# KiCad board Scan_Head_Set-Relay_board-19.01.2023_Copy.kicad_pcb
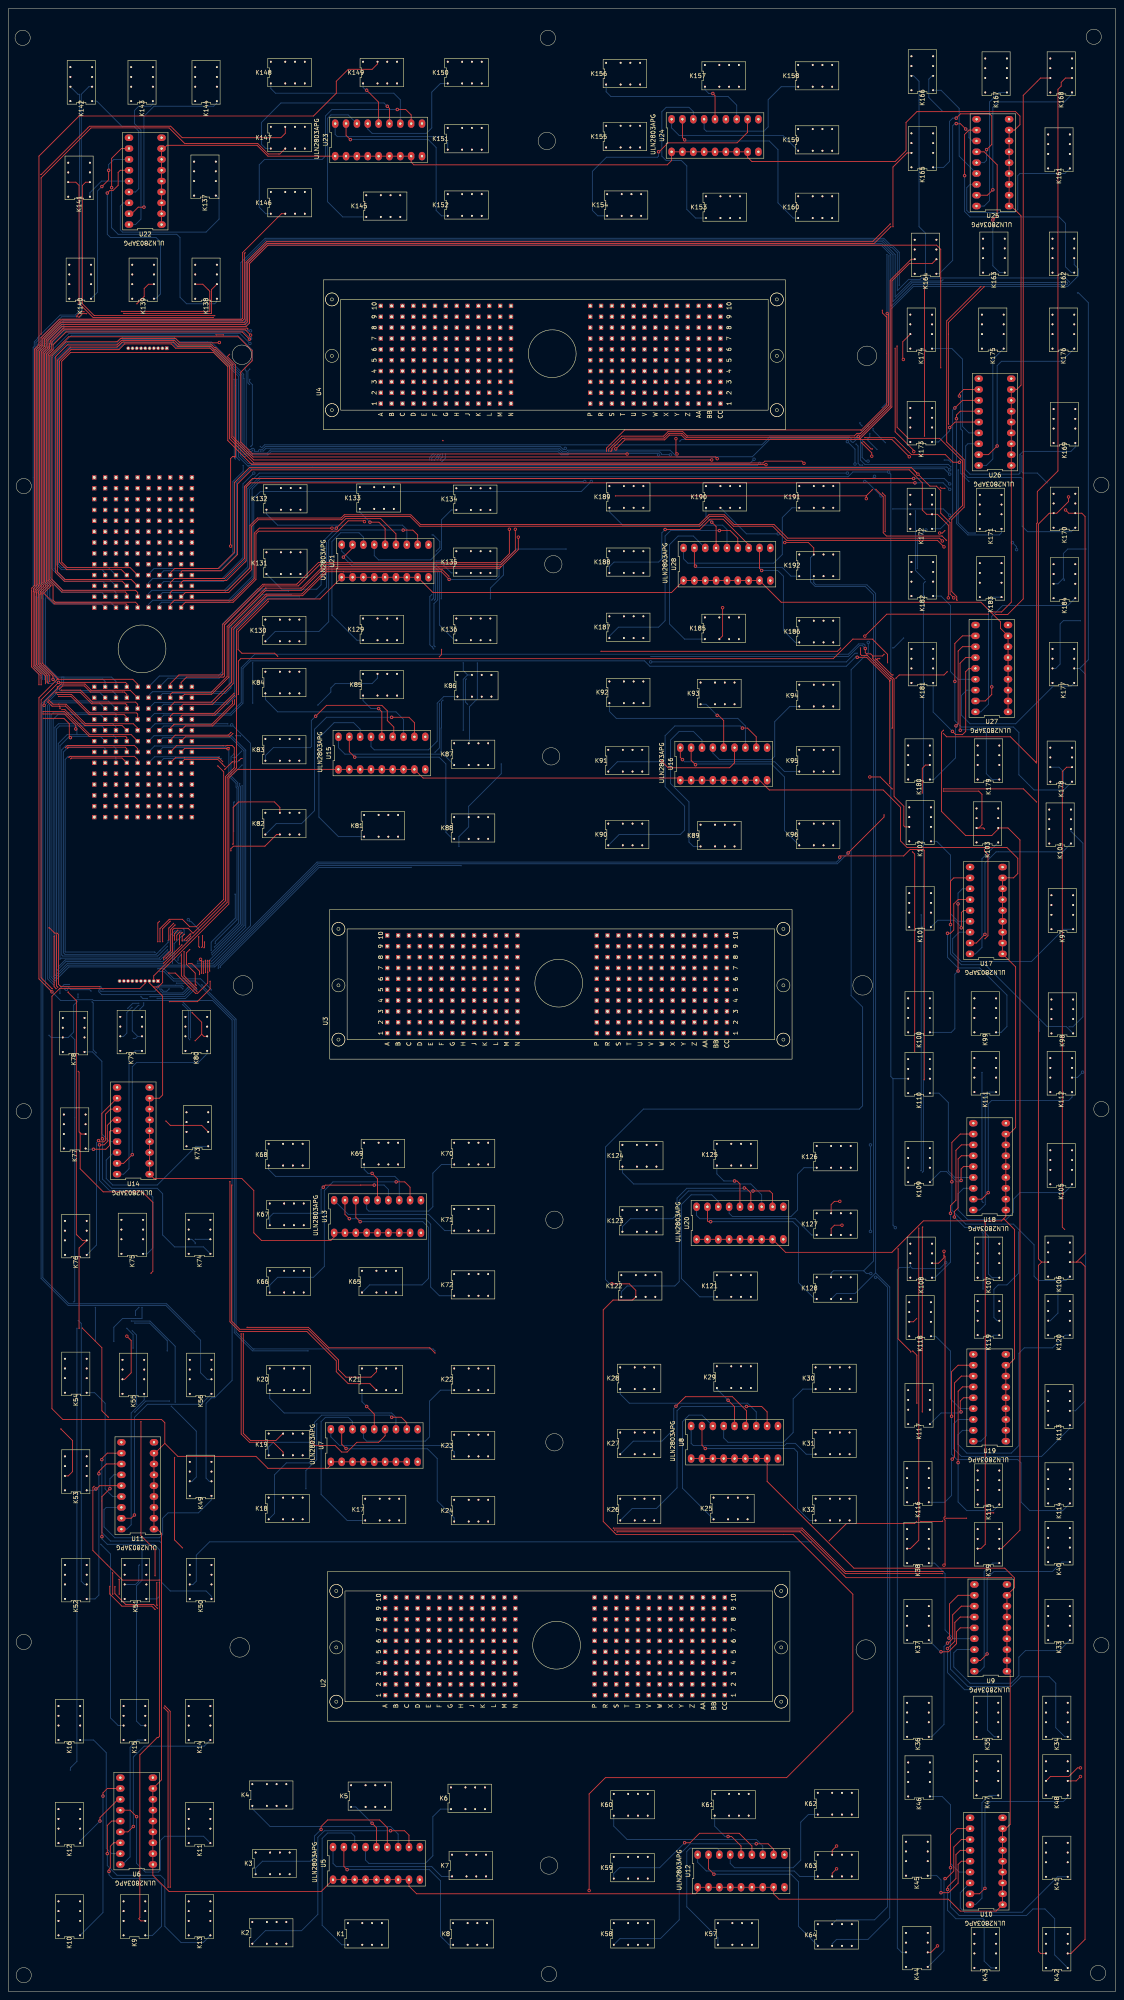
[diagram p0: board, top side]
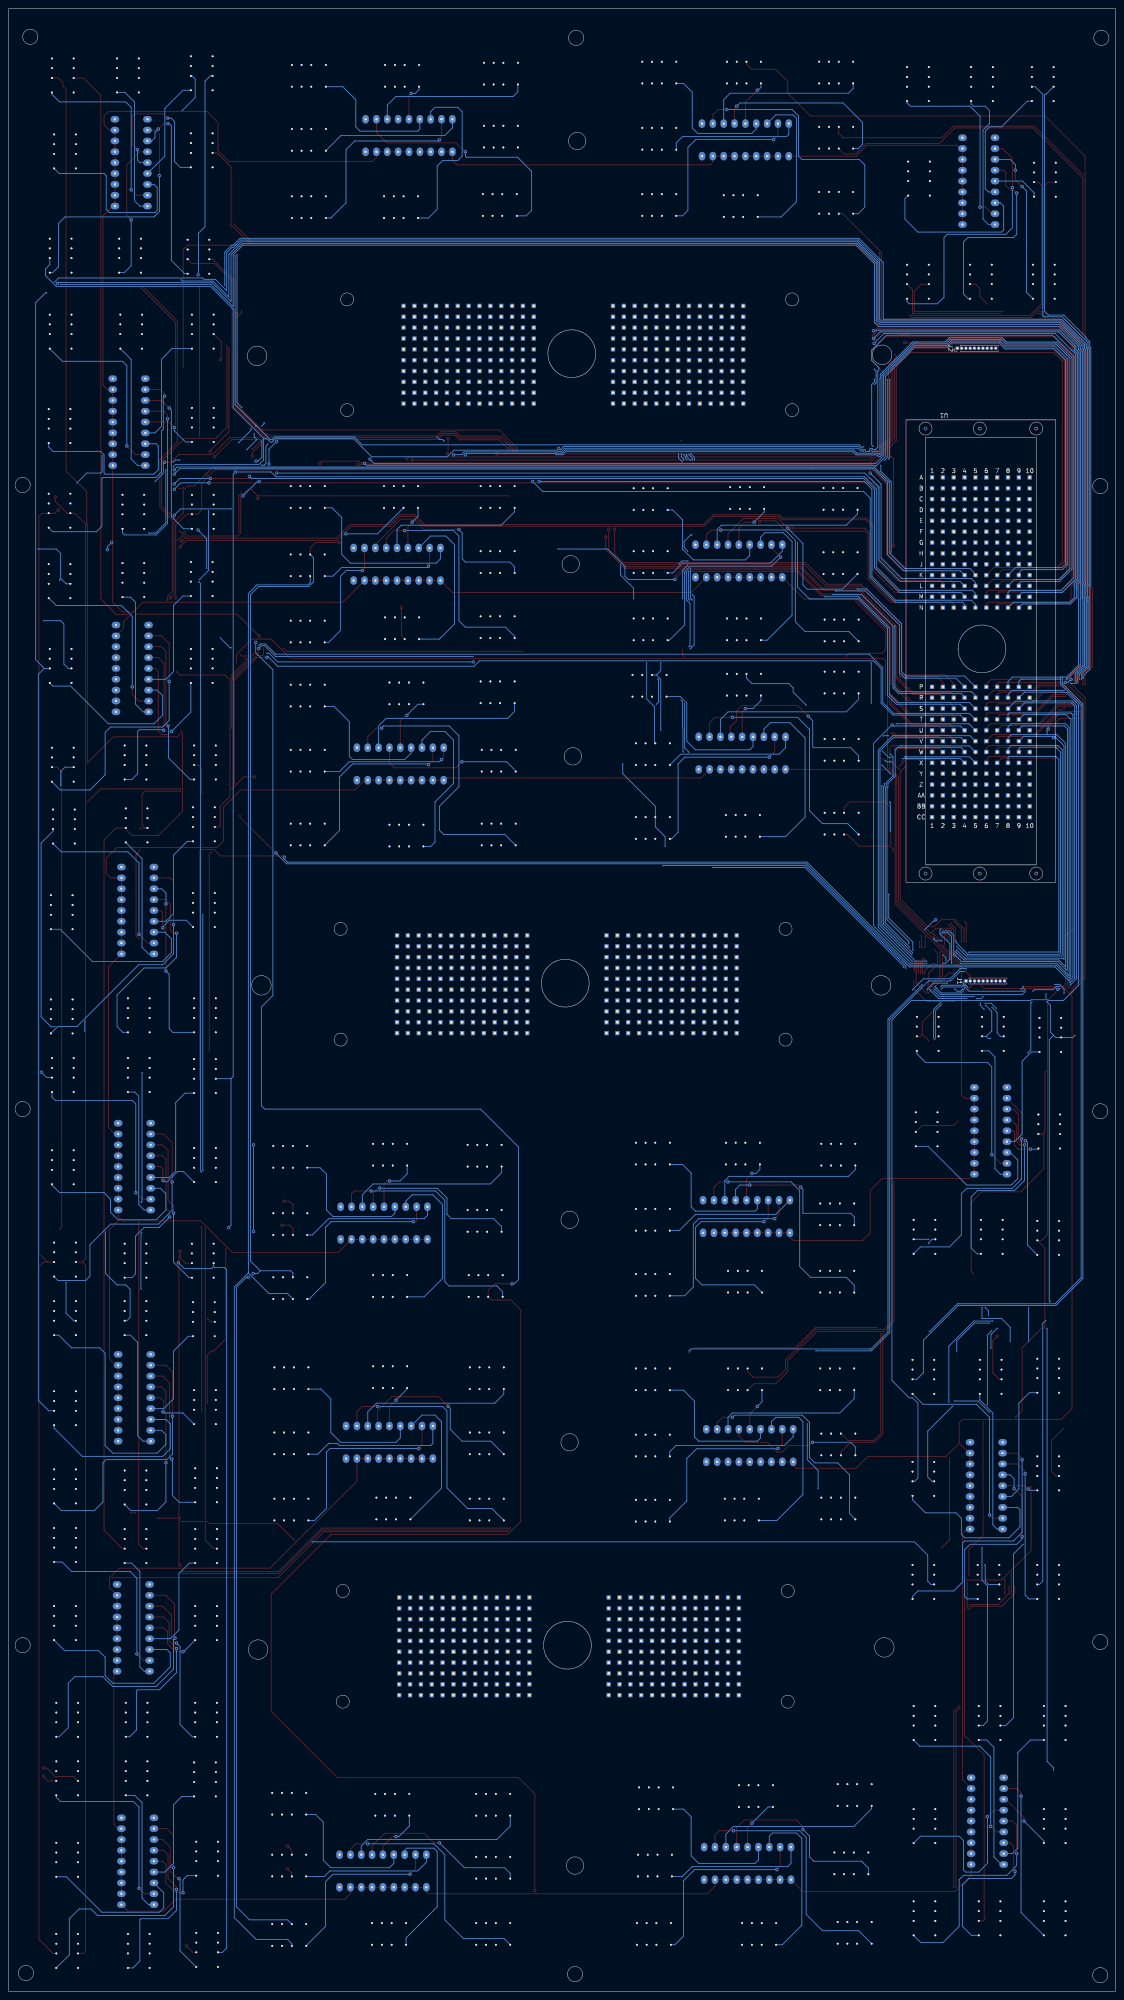
[diagram p1: board, bottom side, seen from below]

Outline 259.08 x 464.06 mm; copper layers: Top, +12V (plane), AGND, Bottom (plane). Coordinates in mm from the lower left corner of the outline.
Outline path: rectangle 0,464.06 259.08,0 ; circle c3.3,457.2 r1.78 ; circle c3.56,352.3 r1.78 ; circle c3.56,205.99 r1.78 ; circle c3.56,81.79 r1.78 ; circle c3.56,3.81 r1.78 ; circle c54.1,80.52 r2.29 ; circle c54.61,383.03 r2.29 ; circle c54.86,235.46 r2.29 ; circle c75.69,395.99 r1.52 ; circle c75.69,370.08 r1.52 ; circle c76.71,93.73 r1.52 ; circle c76.71,67.82 r1.52 ; circle c77.22,248.67 r1.52 ; circle c77.22,222.76 r1.52 ; circle c125.98,433.07 r2.03 ; circle c126.24,457.2 r1.78 ; circle c126.49,29.46 r2.03 ; circle c126.49,4.06 r1.78 ; circle c127,289.05 r2.03 ; circle c127.51,334.01 r2.03 ; circle c127.76,180.59 r2.03 ; circle c127.76,128.52 r2.03 ; circle c179.83,395.99 r1.52 ; circle c179.83,370.08 r1.52 ; circle c180.85,93.73 r1.52 ; circle c180.85,67.82 r1.52 ; circle c181.36,248.67 r1.52 ; circle c181.36,222.76 r1.52 ; circle c199.9,235.46 r2.29 ; circle c200.66,80.01 r2.29 ; circle c200.91,382.78 r2.29 ; circle c254,457.45 r1.78 ; circle c255.02,4.32 r1.78 ; circle c255.78,352.55 r1.78 ; circle c255.78,206.5 r1.78 ; circle c255.78,81.03 r1.78
Stack: Top 0.035mm / dielectric 0.48mm FR4 er 4.5 / +12V 0.035mm / dielectric 0.48mm FR4 er 4.5 / AGND 0.035mm / dielectric 0.48mm FR4 er 4.5 / Bottom 0.035mm

## Placement (name value [footprint] x y rotation side)
J1  Screw_Terminal_01x10  [PinHeader_1x10_P1.00mm_Vertical]  34.98 236.47 90 bottom
J2  Screw_Terminal_01x10  [PinHeader_1x10_P1.00mm_Vertical]  37.01 384.56 90 bottom
K1  MR_DPDT12_2P  [IM46GT-12VDC-8DIP]  83.82 13.46 0 top
K2  MR_DPDT12_2P  [IM46GT-12VDC-8DIP]  61.47 13.72 0 top
K3  MR_DPDT12_2P  [IM46GT-12VDC-8DIP]  62.23 29.97 0 top
K4  MR_DPDT12_2P  [IM46GT-12VDC-8DIP]  61.47 45.97 0 top
K5  MR_DPDT12_2P  [IM46GT-12VDC-8DIP]  84.58 45.72 0 top
K6  MR_DPDT12_2P  [IM46GT-12VDC-8DIP]  107.95 45.21 0 top
K7  MR_DPDT12_2P  [IM46GT-12VDC-8DIP]  108.2 29.46 0 top
K8  MR_DPDT12_2P  [IM46GT-12VDC-8DIP]  108.46 13.46 0 top
K9  MR_DPDT12_2P  [IM46GT-12VDC-8DIP]  29.46 17.53 90 top
K10  MR_DPDT12_2P  [IM46GT-12VDC-8DIP]  14.22 17.53 90 top
K11  MR_DPDT12_2P  [IM46GT-12VDC-8DIP]  44.7 39.12 90 top
K12  MR_DPDT12_2P  [IM46GT-12VDC-8DIP]  14.22 39.12 90 top
K13  MR_DPDT12_2P  [IM46GT-12VDC-8DIP]  44.7 17.53 90 top
K14  MR_DPDT12_2P  [IM46GT-12VDC-8DIP]  44.7 63.25 90 top
K15  MR_DPDT12_2P  [IM46GT-12VDC-8DIP]  29.46 63.25 90 top
K16  MR_DPDT12_2P  [IM46GT-12VDC-8DIP]  14.22 63.25 90 top
K17  MR_DPDT12_2P  [IM46GT-12VDC-8DIP]  87.88 112.78 0 top
K18  MR_DPDT12_2P  [IM46GT-12VDC-8DIP]  65.28 113.03 0 top
K19  MR_DPDT12_2P  [IM46GT-12VDC-8DIP]  65.28 128.02 0 top
K20  MR_DPDT12_2P  [IM46GT-12VDC-8DIP]  65.53 143.26 0 top
K21  MR_DPDT12_2P  [IM46GT-12VDC-8DIP]  87.12 143.26 0 top
K22  MR_DPDT12_2P  [IM46GT-12VDC-8DIP]  108.71 143.26 0 top
K23  MR_DPDT12_2P  [IM46GT-12VDC-8DIP]  108.71 127.76 0 top
K24  MR_DPDT12_2P  [IM46GT-12VDC-8DIP]  108.71 112.52 0 top
K25  MR_DPDT12_2P  [IM46GT-12VDC-8DIP]  169.42 113.03 0 top
K26  MR_DPDT12_2P  [IM46GT-12VDC-8DIP]  147.57 112.78 0 top
K27  MR_DPDT12_2P  [IM46GT-12VDC-8DIP]  147.57 128.27 0 top
K28  MR_DPDT12_2P  [IM46GT-12VDC-8DIP]  147.57 143.51 0 top
K29  MR_DPDT12_2P  [IM46GT-12VDC-8DIP]  170.18 143.76 0 top
K30  MR_DPDT12_2P  [IM46GT-12VDC-8DIP]  193.29 143.51 0 top
K31  MR_DPDT12_2P  [IM46GT-12VDC-8DIP]  193.29 128.27 0 top
K32  MR_DPDT12_2P  [IM46GT-12VDC-8DIP]  193.29 112.78 0 top
K33  MR_DPDT12_2P  [IM46GT-12VDC-8DIP]  245.87 86.61 90 top
K34  MR_DPDT12_2P  [IM46GT-12VDC-8DIP]  245.36 64.01 90 top
K35  MR_DPDT12_2P  [IM46GT-12VDC-8DIP]  229.11 64.01 90 top
K36  MR_DPDT12_2P  [IM46GT-12VDC-8DIP]  212.85 64.01 90 top
K37  MR_DPDT12_2P  [IM46GT-12VDC-8DIP]  212.85 86.61 90 top
K38  MR_DPDT12_2P  [IM46GT-12VDC-8DIP]  212.85 104.65 90 top
K39  MR_DPDT12_2P  [IM46GT-12VDC-8DIP]  229.36 104.65 90 top
K40  MR_DPDT12_2P  [IM46GT-12VDC-8DIP]  245.87 104.9 90 top
K41  MR_DPDT12_2P  [IM46GT-12VDC-8DIP]  245.36 31.24 90 top
K42  MR_DPDT12_2P  [IM46GT-12VDC-8DIP]  245.36 9.91 90 top
K43  MR_DPDT12_2P  [IM46GT-12VDC-8DIP]  228.6 9.91 90 top
K44  MR_DPDT12_2P  [IM46GT-12VDC-8DIP]  212.6 10.16 90 top
K45  MR_DPDT12_2P  [IM46GT-12VDC-8DIP]  212.6 31.5 90 top
K46  MR_DPDT12_2P  [IM46GT-12VDC-8DIP]  213.11 50.04 90 top
K47  MR_DPDT12_2P  [IM46GT-12VDC-8DIP]  229.11 50.29 90 top
K48  MR_DPDT12_2P  [IM46GT-12VDC-8DIP]  245.36 50.29 90 top
K49  MR_DPDT12_2P  [IM46GT-12VDC-8DIP]  44.96 120.4 90 top
K50  MR_DPDT12_2P  [IM46GT-12VDC-8DIP]  44.96 96.27 90 top
K51  MR_DPDT12_2P  [IM46GT-12VDC-8DIP]  29.72 96.27 90 top
K52  MR_DPDT12_2P  [IM46GT-12VDC-8DIP]  15.75 96.27 90 top
K53  MR_DPDT12_2P  [IM46GT-12VDC-8DIP]  15.75 121.67 90 top
K54  MR_DPDT12_2P  [IM46GT-12VDC-8DIP]  15.75 144.53 90 top
K55  MR_DPDT12_2P  [IM46GT-12VDC-8DIP]  29.21 144.27 90 top
K56  MR_DPDT12_2P  [IM46GT-12VDC-8DIP]  44.96 144.27 90 top
K57  MR_DPDT12_2P  [IM46GT-12VDC-8DIP]  170.43 13.46 0 top
K58  MR_DPDT12_2P  [IM46GT-12VDC-8DIP]  146.05 13.46 0 top
K59  MR_DPDT12_2P  [IM46GT-12VDC-8DIP]  146.05 28.96 0 top
K60  MR_DPDT12_2P  [IM46GT-12VDC-8DIP]  146.05 43.69 0 top
K61  MR_DPDT12_2P  [IM46GT-12VDC-8DIP]  169.67 43.69 0 top
K62  MR_DPDT12_2P  [IM46GT-12VDC-8DIP]  193.8 43.94 0 top
K63  MR_DPDT12_2P  [IM46GT-12VDC-8DIP]  193.8 29.46 0 top
K64  MR_DPDT12_2P  [IM46GT-12VDC-8DIP]  193.8 13.21 0 top
K65  MR_DPDT12_2P  [IM46GT-12VDC-8DIP]  87.12 166.12 0 top
K66  MR_DPDT12_2P  [IM46GT-12VDC-8DIP]  65.53 166.12 0 top
K67  MR_DPDT12_2P  [IM46GT-12VDC-8DIP]  65.53 181.86 0 top
K68  MR_DPDT12_2P  [IM46GT-12VDC-8DIP]  65.28 195.83 0 top
K69  MR_DPDT12_2P  [IM46GT-12VDC-8DIP]  87.63 196.09 0 top
K70  MR_DPDT12_2P  [IM46GT-12VDC-8DIP]  108.71 196.09 0 top
K71  MR_DPDT12_2P  [IM46GT-12VDC-8DIP]  108.71 180.59 0 top
K72  MR_DPDT12_2P  [IM46GT-12VDC-8DIP]  108.71 165.35 0 top
K73  MR_DPDT12_2P  [IM46GT-12VDC-8DIP]  44.2 202.18 90 top
K74  MR_DPDT12_2P  [IM46GT-12VDC-8DIP]  44.7 177.04 90 top
K75  MR_DPDT12_2P  [IM46GT-12VDC-8DIP]  28.96 177.04 90 top
K76  MR_DPDT12_2P  [IM46GT-12VDC-8DIP]  15.75 176.78 90 top
K77  MR_DPDT12_2P  [IM46GT-12VDC-8DIP]  15.49 201.68 90 top
K78  MR_DPDT12_2P  [IM46GT-12VDC-8DIP]  15.24 224.28 90 top
K79  MR_DPDT12_2P  [IM46GT-12VDC-8DIP]  28.7 224.54 90 top
K80  MR_DPDT12_2P  [IM46GT-12VDC-8DIP]  43.94 224.54 90 top
K81  MR_DPDT12_2P  [IM46GT-12VDC-8DIP]  87.63 272.8 0 top
K82  MR_DPDT12_2P  [IM46GT-12VDC-8DIP]  64.52 273.3 0 top
K83  MR_DPDT12_2P  [IM46GT-12VDC-8DIP]  64.52 290.58 0 top
K84  MR_DPDT12_2P  [IM46GT-12VDC-8DIP]  64.52 306.32 0 top
K85  MR_DPDT12_2P  [IM46GT-12VDC-8DIP]  87.38 305.82 0 top
K86  MR_DPDT12_2P  [IM46GT-12VDC-8DIP]  109.47 305.56 0 top
K87  MR_DPDT12_2P  [IM46GT-12VDC-8DIP]  108.71 289.56 0 top
K88  MR_DPDT12_2P  [IM46GT-12VDC-8DIP]  108.71 272.29 0 top
K89  MR_DPDT12_2P  [IM46GT-12VDC-8DIP]  166.37 270.51 0 top
K90  MR_DPDT12_2P  [IM46GT-12VDC-8DIP]  144.78 270.76 0 top
K91  MR_DPDT12_2P  [IM46GT-12VDC-8DIP]  144.78 288.04 0 top
K92  MR_DPDT12_2P  [IM46GT-12VDC-8DIP]  145.03 304.04 0 top
K93  MR_DPDT12_2P  [IM46GT-12VDC-8DIP]  166.37 303.78 0 top
K94  MR_DPDT12_2P  [IM46GT-12VDC-8DIP]  189.48 303.28 0 top
K95  MR_DPDT12_2P  [IM46GT-12VDC-8DIP]  189.48 288.04 0 top
K96  MR_DPDT12_2P  [IM46GT-12VDC-8DIP]  189.48 270.76 0 top
K97  MR_DPDT12_2P  [IM46GT-12VDC-8DIP]  246.63 252.98 90 top
K98  MR_DPDT12_2P  [IM46GT-12VDC-8DIP]  246.63 228.6 90 top
K99  MR_DPDT12_2P  [IM46GT-12VDC-8DIP]  228.6 228.85 90 top
K100  MR_DPDT12_2P  [IM46GT-12VDC-8DIP]  213.11 228.85 90 top
K101  MR_DPDT12_2P  [IM46GT-12VDC-8DIP]  213.36 253.49 90 top
K102  MR_DPDT12_2P  [IM46GT-12VDC-8DIP]  213.36 273.56 90 top
K103  MR_DPDT12_2P  [IM46GT-12VDC-8DIP]  229.11 273.3 90 top
K104  MR_DPDT12_2P  [IM46GT-12VDC-8DIP]  246.13 273.05 90 top
K105  MR_DPDT12_2P  [IM46GT-12VDC-8DIP]  246.38 193.29 90 top
K106  MR_DPDT12_2P  [IM46GT-12VDC-8DIP]  245.87 171.7 90 top
K107  MR_DPDT12_2P  [IM46GT-12VDC-8DIP]  229.36 171.45 90 top
K108  MR_DPDT12_2P  [IM46GT-12VDC-8DIP]  213.61 171.45 90 top
K109  MR_DPDT12_2P  [IM46GT-12VDC-8DIP]  213.11 193.8 90 top
K110  MR_DPDT12_2P  [IM46GT-12VDC-8DIP]  213.11 214.63 90 top
K111  MR_DPDT12_2P  [IM46GT-12VDC-8DIP]  228.6 214.88 90 top
K112  MR_DPDT12_2P  [IM46GT-12VDC-8DIP]  246.38 214.88 90 top
K113  MR_DPDT12_2P  [IM46GT-12VDC-8DIP]  245.87 136.91 90 top
K114  MR_DPDT12_2P  [IM46GT-12VDC-8DIP]  245.87 118.62 90 top
K115  MR_DPDT12_2P  [IM46GT-12VDC-8DIP]  229.36 118.36 90 top
K116  MR_DPDT12_2P  [IM46GT-12VDC-8DIP]  212.85 118.87 90 top
K117  MR_DPDT12_2P  [IM46GT-12VDC-8DIP]  213.11 137.16 90 top
K118  MR_DPDT12_2P  [IM46GT-12VDC-8DIP]  213.36 157.73 90 top
K119  MR_DPDT12_2P  [IM46GT-12VDC-8DIP]  229.36 157.99 90 top
K120  MR_DPDT12_2P  [IM46GT-12VDC-8DIP]  245.87 157.99 90 top
K121  MR_DPDT12_2P  [IM46GT-12VDC-8DIP]  170.18 165.1 0 top
K122  MR_DPDT12_2P  [IM46GT-12VDC-8DIP]  147.83 165.1 0 top
K123  MR_DPDT12_2P  [IM46GT-12VDC-8DIP]  148.08 180.34 0 top
K124  MR_DPDT12_2P  [IM46GT-12VDC-8DIP]  148.08 195.58 0 top
K125  MR_DPDT12_2P  [IM46GT-12VDC-8DIP]  170.18 195.83 0 top
K126  MR_DPDT12_2P  [IM46GT-12VDC-8DIP]  193.55 195.33 0 top
K127  MR_DPDT12_2P  [IM46GT-12VDC-8DIP]  193.55 179.58 0 top
K128  MR_DPDT12_2P  [IM46GT-12VDC-8DIP]  193.55 164.59 0 top
K129  MR_DPDT12_2P  [IM46GT-12VDC-8DIP]  87.38 318.77 0 top
K130  MR_DPDT12_2P  [IM46GT-12VDC-8DIP]  64.52 318.52 0 top
K131  MR_DPDT12_2P  [IM46GT-12VDC-8DIP]  64.77 334.26 0 top
K132  MR_DPDT12_2P  [IM46GT-12VDC-8DIP]  64.77 349.31 0 top
K133  MR_DPDT12_2P  [IM46GT-12VDC-8DIP]  86.61 349.5 0 top
K134  MR_DPDT12_2P  [IM46GT-12VDC-8DIP]  109.22 349.25 0 top
K135  MR_DPDT12_2P  [IM46GT-12VDC-8DIP]  109.22 334.52 0 top
K136  MR_DPDT12_2P  [IM46GT-12VDC-8DIP]  109.22 318.77 0 top
K137  MR_DPDT12_2P  [IM46GT-12VDC-8DIP]  45.97 424.69 90 top
K138  MR_DPDT12_2P  [IM46GT-12VDC-8DIP]  46.23 400.56 90 top
K139  MR_DPDT12_2P  [IM46GT-12VDC-8DIP]  31.5 400.56 90 top
K140  MR_DPDT12_2P  [IM46GT-12VDC-8DIP]  16.76 400.56 90 top
K141  MR_DPDT12_2P  [IM46GT-12VDC-8DIP]  16.51 424.43 90 top
K142  MR_DPDT12_2P  [IM46GT-12VDC-8DIP]  17.02 446.79 90 top
K143  MR_DPDT12_2P  [IM46GT-12VDC-8DIP]  31.24 446.79 90 top
K144  MR_DPDT12_2P  [IM46GT-12VDC-8DIP]  46.23 446.79 90 top
K145  MR_DPDT12_2P  [IM46GT-12VDC-8DIP]  88.14 417.83 0 top
K146  MR_DPDT12_2P  [IM46GT-12VDC-8DIP]  65.79 418.59 0 top
K147  MR_DPDT12_2P  [IM46GT-12VDC-8DIP]  65.79 433.83 0 top
K148  MR_DPDT12_2P  [IM46GT-12VDC-8DIP]  65.79 449.07 0 top
K149  MR_DPDT12_2P  [IM46GT-12VDC-8DIP]  87.38 449.07 0 top
K150  MR_DPDT12_2P  [IM46GT-12VDC-8DIP]  107.19 449.07 0 top
K151  MR_DPDT12_2P  [IM46GT-12VDC-8DIP]  107.19 433.58 0 top
K152  MR_DPDT12_2P  [IM46GT-12VDC-8DIP]  107.19 418.08 0 top
K153  MR_DPDT12_2P  [IM46GT-12VDC-8DIP]  167.64 417.58 0 top
K154  MR_DPDT12_2P  [IM46GT-12VDC-8DIP]  144.53 418.08 0 top
K155  MR_DPDT12_2P  [IM46GT-12VDC-8DIP]  144.27 434.09 0 top
K156  MR_DPDT12_2P  [IM46GT-12VDC-8DIP]  144.27 448.82 0 top
K157  MR_DPDT12_2P  [IM46GT-12VDC-8DIP]  167.39 448.31 0 top
K158  MR_DPDT12_2P  [IM46GT-12VDC-8DIP]  189.23 448.31 0 top
K159  MR_DPDT12_2P  [IM46GT-12VDC-8DIP]  189.23 433.32 0 top
K160  MR_DPDT12_2P  [IM46GT-12VDC-8DIP]  189.23 417.58 0 top
K161  MR_DPDT12_2P  [IM46GT-12VDC-8DIP]  245.87 431.04 90 top
K162  MR_DPDT12_2P  [IM46GT-12VDC-8DIP]  246.89 406.65 90 top
K163  MR_DPDT12_2P  [IM46GT-12VDC-8DIP]  230.63 406.65 90 top
K164  MR_DPDT12_2P  [IM46GT-12VDC-8DIP]  214.63 406.4 90 top
K165  MR_DPDT12_2P  [IM46GT-12VDC-8DIP]  213.87 431.29 90 top
K166  MR_DPDT12_2P  [IM46GT-12VDC-8DIP]  213.87 449.33 90 top
K167  MR_DPDT12_2P  [IM46GT-12VDC-8DIP]  231.14 448.82 90 top
K168  MR_DPDT12_2P  [IM46GT-12VDC-8DIP]  246.38 448.82 90 top
K169  MR_DPDT12_2P  [IM46GT-12VDC-8DIP]  247.14 366.78 90 top
K170  MR_DPDT12_2P  [IM46GT-12VDC-8DIP]  247.14 346.96 90 top
K171  MR_DPDT12_2P  [IM46GT-12VDC-8DIP]  229.87 346.71 90 top
K172  MR_DPDT12_2P  [IM46GT-12VDC-8DIP]  213.61 346.71 90 top
K173  MR_DPDT12_2P  [IM46GT-12VDC-8DIP]  213.61 367.03 90 top
K174  MR_DPDT12_2P  [IM46GT-12VDC-8DIP]  213.61 388.87 90 top
K175  MR_DPDT12_2P  [IM46GT-12VDC-8DIP]  230.38 388.87 90 top
K176  MR_DPDT12_2P  [IM46GT-12VDC-8DIP]  246.89 388.87 90 top
K177  MR_DPDT12_2P  [IM46GT-12VDC-8DIP]  246.89 310.64 90 top
K178  MR_DPDT12_2P  [IM46GT-12VDC-8DIP]  246.38 287.53 90 top
K179  MR_DPDT12_2P  [IM46GT-12VDC-8DIP]  229.36 288.04 90 top
K180  MR_DPDT12_2P  [IM46GT-12VDC-8DIP]  213.11 288.04 90 top
K181  MR_DPDT12_2P  [IM46GT-12VDC-8DIP]  213.87 310.64 90 top
K182  MR_DPDT12_2P  [IM46GT-12VDC-8DIP]  213.87 330.96 90 top
K183  MR_DPDT12_2P  [IM46GT-12VDC-8DIP]  229.87 330.71 90 top
K184  MR_DPDT12_2P  [IM46GT-12VDC-8DIP]  247.14 330.45 90 top
K185  MR_DPDT12_2P  [IM46GT-12VDC-8DIP]  167.39 319.02 0 top
K186  MR_DPDT12_2P  [IM46GT-12VDC-8DIP]  189.48 318.26 0 top
K187  MR_DPDT12_2P  [IM46GT-12VDC-8DIP]  145.03 319.28 0 top
K188  MR_DPDT12_2P  [IM46GT-12VDC-8DIP]  145.03 334.52 0 top
K189  MR_DPDT12_2P  [IM46GT-12VDC-8DIP]  145.03 349.76 0 top
K190  MR_DPDT12_2P  [IM46GT-12VDC-8DIP]  167.64 349.76 0 top
K191  MR_DPDT12_2P  [IM46GT-12VDC-8DIP]  189.48 349.76 0 top
K192  MR_DPDT12_2P  [IM46GT-12VDC-8DIP]  189.48 333.76 0 top
U1  -  [DL5-260RW6]  31.75 313.94 180 bottom
U2  -  [DL5-260RW6]  128.52 80.52 90 top
U3  -  [DL5-260RW6]  129.03 235.46 90 top
U4  -  [DL5-260RW6]  127.51 382.78 90 top
U5  ULN2803APG  [DIP-18_7.62mm_23.00x6.50mm_300_2.54_001]  85.09 30.23 90 top
U6  ULN2803APG  [DIP-18_7.62mm_23.00x6.50mm_300_2.54_001]  29.72 38.86 180 top
U7  ULN2803APG  [DIP-18_7.62mm_23.00x6.50mm_300_2.54_001]  84.58 128.02 90 top
U8  ULN2803APG  [DIP-18_7.62mm_23.00x6.50mm_300_2.54_001]  168.91 128.78 90 top
U9  ULN2803APG  [DIP-18_7.62mm_23.00x6.50mm_300_2.54_001]  229.62 84.07 180 top
U10  ULN2803APG  [DIP-18_7.62mm_23.00x6.50mm_300_2.54_001]  228.6 29.46 180 top
U11  ULN2803APG  [DIP-18_7.62mm_23.00x6.50mm_300_2.54_001]  29.97 117.35 180 top
U12  ULN2803APG  [DIP-18_7.62mm_23.00x6.50mm_300_2.54_001]  170.43 28.45 90 top
U13  ULN2803APG  [DIP-18_7.62mm_23.00x6.50mm_300_2.54_001]  85.34 181.61 90 top
U14  ULN2803APG  [DIP-18_7.62mm_23.00x6.50mm_300_2.54_001]  28.96 200.41 180 top
U15  ULN2803APG  [DIP-18_7.62mm_23.00x6.50mm_300_2.54_001]  86.36 290.07 90 top
U16  ULN2803APG  [DIP-18_7.62mm_23.00x6.50mm_300_2.54_001]  166.37 287.53 90 top
U17  ULN2803APG  [DIP-18_7.62mm_23.00x6.50mm_300_2.54_001]  228.6 251.97 180 top
U18  ULN2803APG  [DIP-18_7.62mm_23.00x6.50mm_300_2.54_001]  229.36 192.02 180 top
U19  ULN2803APG  [DIP-18_7.62mm_23.00x6.50mm_300_2.54_001]  229.36 137.92 180 top
U20  ULN2803APG  [DIP-18_7.62mm_23.00x6.50mm_300_2.54_001]  170.18 180.09 90 top
U21  ULN2803APG  [DIP-18_7.62mm_23.00x6.50mm_300_2.54_001]  87.12 335.03 90 top
U22  ULN2803APG  [DIP-18_7.62mm_23.00x6.50mm_300_2.54_001]  31.75 422.66 180 top
U23  ULN2803APG  [DIP-18_7.62mm_23.00x6.50mm_300_2.54_001]  85.6 433.58 90 top
U24  ULN2803APG  [DIP-18_7.62mm_23.00x6.50mm_300_2.54_001]  164.34 434.59 90 top
U25  ULN2803APG  [DIP-18_7.62mm_23.00x6.50mm_300_2.54_001]  230.12 426.97 180 top
U26  ULN2803APG  [DIP-18_7.62mm_23.00x6.50mm_300_2.54_001]  230.63 366.27 180 top
U27  ULN2803APG  [DIP-18_7.62mm_23.00x6.50mm_300_2.54_001]  229.87 308.61 180 top
U28  ULN2803APG  [DIP-18_7.62mm_23.00x6.50mm_300_2.54_001]  167.13 334.26 90 top

## Footprints (pads in the part's own frame, mm; a bottom-side part is the same pattern mirrored in y, then rotated)
DIP-18_7.62mm_23.00x6.50mm_300_2.54_001
  oval 2x1.53 hole 0.55: 1(-4.064,9.144) 2(-4.064,6.604) 3(-4.064,4.064) 4(-4.064,1.524) 5(-4.064,-1.016) 6(-4.064,-3.556) 7(-4.064,-6.096) 8(-4.064,-8.636) 9(-4.064,-11.176) 10(3.556,-11.176) 11(3.556,-8.636) 12(3.556,-6.096) 13(3.556,-3.556) 14(3.556,-1.016) 15(3.556,1.524) 16(3.556,4.064) 17(3.556,6.604) 18(3.556,9.144)
DL5-260RW6
  rect 1x1 hole 0.64: A1(-11.176,40.386) A2(-8.636,40.386) A3(-6.096,40.386) A4(-3.556,40.386) A5(-1.016,40.386) A6(1.524,40.386) A7(4.064,40.386) A8(6.604,40.386) A9(9.144,40.386) A10(11.684,40.386) AA1(-11.176,-34.036) AA2(-8.636,-34.036) AA3(-6.096,-34.036) AA4(-3.556,-34.036) AA5(-1.016,-34.036) AA6(1.524,-34.036) AA7(4.064,-34.036) AA8(6.604,-34.036) AA9(9.144,-34.036) AA10(11.684,-34.036) B1(-11.176,37.846) B2(-8.636,37.846) B3(-6.096,37.846) B4(-3.556,37.846) B5(-1.016,37.846) B6(1.524,37.846) B7(4.064,37.846) B8(6.604,37.846) B9(9.144,37.846) B10(11.684,37.846) BB1(-11.176,-36.576) BB2(-8.636,-36.576) BB3(-6.096,-36.576) BB4(-3.556,-36.576) BB5(-1.016,-36.576) BB6(1.524,-36.576) BB7(4.064,-36.576) BB8(6.604,-36.576) BB9(9.144,-36.576) BB10(11.684,-36.576) C1(-11.176,35.306) C2(-8.636,35.306) C3(-6.096,35.306) C4(-3.556,35.306) C5(-1.016,35.306) C6(1.524,35.306) C7(4.064,35.306) C8(6.604,35.306) C9(9.144,35.306) C10(11.684,35.306) CC1(-11.176,-39.116) CC2(-8.636,-39.116) CC3(-6.096,-39.116) CC4(-3.556,-39.116) CC5(-1.016,-39.116) CC6(1.524,-39.116) CC7(4.064,-39.116) CC8(6.604,-39.116) CC9(9.144,-39.116) CC10(11.684,-39.116) D1(-11.176,32.766) D2(-8.636,32.766) D3(-6.096,32.766) D4(-3.556,32.766) D5(-1.016,32.766) D6(1.524,32.766) D7(4.064,32.766) D8(6.604,32.766) D9(9.144,32.766) D10(11.684,32.766) E1(-11.176,30.226) E2(-8.636,30.226) E3(-6.096,30.226) E4(-3.556,30.226) E5(-1.016,30.226) E6(1.524,30.226) E7(4.064,30.226) E8(6.604,30.226) E9(9.144,30.226) E10(11.684,30.226) F1(-11.176,27.686) F2(-8.636,27.686) F3(-6.096,27.686) F4(-3.556,27.686) F5(-1.016,27.686) F6(1.524,27.686) F7(4.064,27.686) F8(6.604,27.686) F9(9.144,27.686) F10(11.684,27.686) G1(-11.176,25.146) G2(-8.636,25.146) G3(-6.096,25.146) G4(-3.556,25.146) G5(-1.016,25.146) G6(1.524,25.146) G7(4.064,25.146) G8(6.604,25.146) G9(9.144,25.146) G10(11.684,25.146) H1(-11.176,22.606) H2(-8.636,22.606) H3(-6.096,22.606) H4(-3.556,22.606) H5(-1.016,22.606) H6(1.524,22.606) H7(4.064,22.606) H8(6.604,22.606) H9(9.144,22.606) H10(11.684,22.606) J1(-11.176,20.066) J2(-8.636,20.066) J3(-6.096,20.066) J4(-3.556,20.066) J5(-1.016,20.066) J6(1.524,20.066) J7(4.064,20.066) J8(6.604,20.066) J9(9.144,20.066) J10(11.684,20.066) K1(-11.176,17.526) K2(-8.636,17.526) K3(-6.096,17.526) K4(-3.556,17.526) K5(-1.016,17.526) K6(1.524,17.526) K7(4.064,17.526) K8(6.604,17.526) K9(9.144,17.526) K10(11.684,17.526) L1(-11.176,14.986) L2(-8.636,14.986) L3(-6.096,14.986) L4(-3.556,14.986) L5(-1.016,14.986) L6(1.524,14.986) L7(4.064,14.986) L8(6.604,14.986) L9(9.144,14.986) L10(11.684,14.986) M1(-11.176,12.446) M2(-8.636,12.446) M3(-6.096,12.446) M4(-3.556,12.446) M5(-1.016,12.446) M6(1.524,12.446) M7(4.064,12.446) M8(6.604,12.446) M9(9.144,12.446) M10(11.684,12.446) N1(-11.176,9.906) N2(-8.636,9.906) N3(-6.096,9.906) N4(-3.556,9.906) N5(-1.016,9.906) N6(1.524,9.906) N7(4.064,9.906) N8(6.604,9.906) N9(9.144,9.906) N10(11.684,9.906) P1(-11.176,-8.636) P2(-8.636,-8.636) P3(-6.096,-8.636) P4(-3.556,-8.636) P5(-1.016,-8.636) P6(1.524,-8.636) P7(4.064,-8.636) P8(6.604,-8.636) P9(9.144,-8.636) P10(11.684,-8.636) R1(-11.176,-11.176) R2(-8.636,-11.176) R3(-6.096,-11.176) R4(-3.556,-11.176) R5(-1.016,-11.176) R6(1.524,-11.176) R7(4.064,-11.176) R8(6.604,-11.176) R9(9.144,-11.176) R10(11.684,-11.176) S1(-11.176,-13.716) S2(-8.636,-13.716) S3(-6.096,-13.716) S4(-3.556,-13.716) S5(-1.016,-13.716) S6(1.524,-13.716) S7(4.064,-13.716) S8(6.604,-13.716) S9(9.144,-13.716) S10(11.684,-13.716) T1(-11.176,-16.256) T2(-8.636,-16.256) T3(-6.096,-16.256) T4(-3.556,-16.256) T5(-1.016,-16.256) T6(1.524,-16.256) T7(4.064,-16.256) T8(6.604,-16.256) T9(9.144,-16.256) T10(11.684,-16.256) U1(-11.176,-18.796) U2(-8.636,-18.796) U3(-6.096,-18.796) U4(-3.556,-18.796) U5(-1.016,-18.796) U6(1.524,-18.796) U7(4.064,-18.796) U8(6.604,-18.796) U9(9.144,-18.796) U10(11.684,-18.796) V1(-11.176,-21.336) V2(-8.636,-21.336) V3(-6.096,-21.336) V4(-3.556,-21.336) V5(-1.016,-21.336) V6(1.524,-21.336) V7(4.064,-21.336) V8(6.604,-21.336) V9(9.144,-21.336) V10(11.684,-21.336) W1(-11.176,-23.876) W2(-8.636,-23.876) W3(-6.096,-23.876) W4(-3.556,-23.876) W5(-1.016,-23.876) W6(1.524,-23.876) W7(4.064,-23.876) W8(6.604,-23.876) W9(9.144,-23.876) W10(11.684,-23.876) X1(-11.176,-26.416) X2(-8.636,-26.416) X3(-6.096,-26.416) X4(-3.556,-26.416) X5(-1.016,-26.416) X6(1.524,-26.416) X7(4.064,-26.416) X8(6.604,-26.416) X9(9.144,-26.416) X10(11.684,-26.416) Y1(-11.176,-28.956) Y2(-8.636,-28.956) Y3(-6.096,-28.956) Y4(-3.556,-28.956) Y5(-1.016,-28.956) Y6(1.524,-28.956) Y7(4.064,-28.956) Y8(6.604,-28.956) Y9(9.144,-28.956) Y10(11.684,-28.956) Z1(-11.176,-31.496) Z2(-8.636,-31.496) Z3(-6.096,-31.496) Z4(-3.556,-31.496) Z5(-1.016,-31.496) Z6(1.524,-31.496) Z7(4.064,-31.496) Z8(6.604,-31.496) Z9(9.144,-31.496) Z10(11.684,-31.496)
IM46GT-12VDC-8DIP
  oval 0.4x0.5 hole 0.75: 11(-1.016,-2.54) 12(1.27,-2.54) 14(3.556,-2.54) 21(-1.016,2.54) 22(1.27,2.54) 24(3.556,2.54) A1(-4.4,-2.54) A2(-4.4,2.54)
PinHeader_1x10_P1.00mm_Vertical
  rect 0.85x0.85 hole 0.5: 1(0,0)
  oval 0.85x0.85 hole 0.5: 2(0,-1) 3(0,-2) 4(0,-3) 5(0,-4) 6(0,-5) 7(0,-6) 8(0,-7) 9(0,-8) 10(0,-9)
